# KiCad board bumwings_v001_xiao.kicad_pcb
title: BumWings_001; date: 2022-10-12; rev: v0.5; company: tubby.twins a.k.a. mschnoor
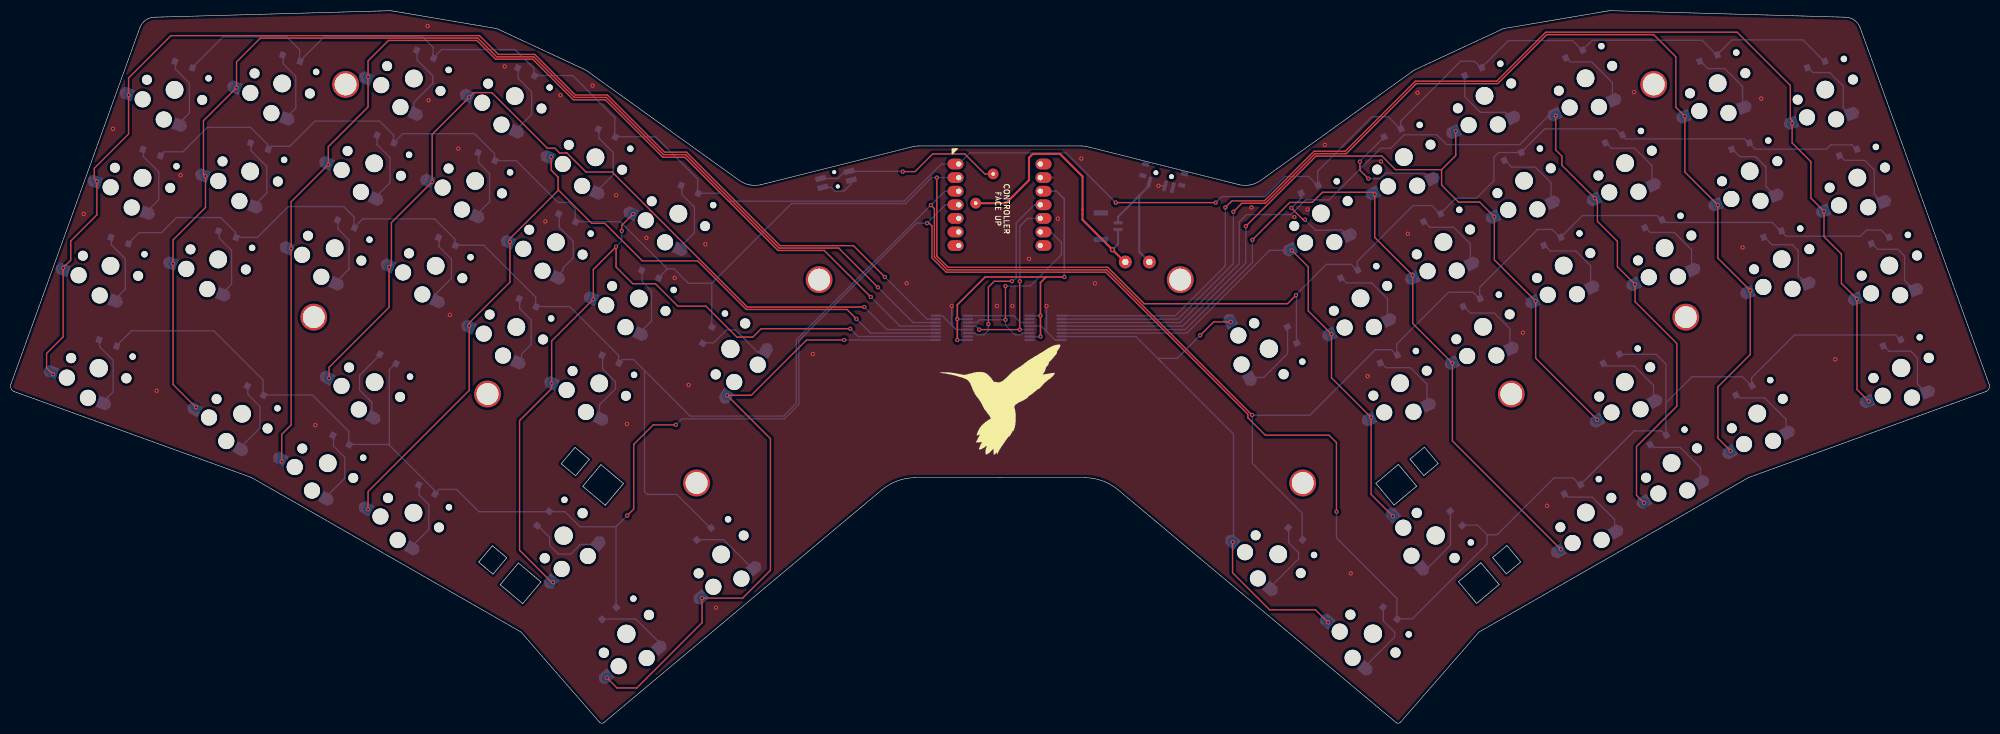
[diagram p0: board, top side]
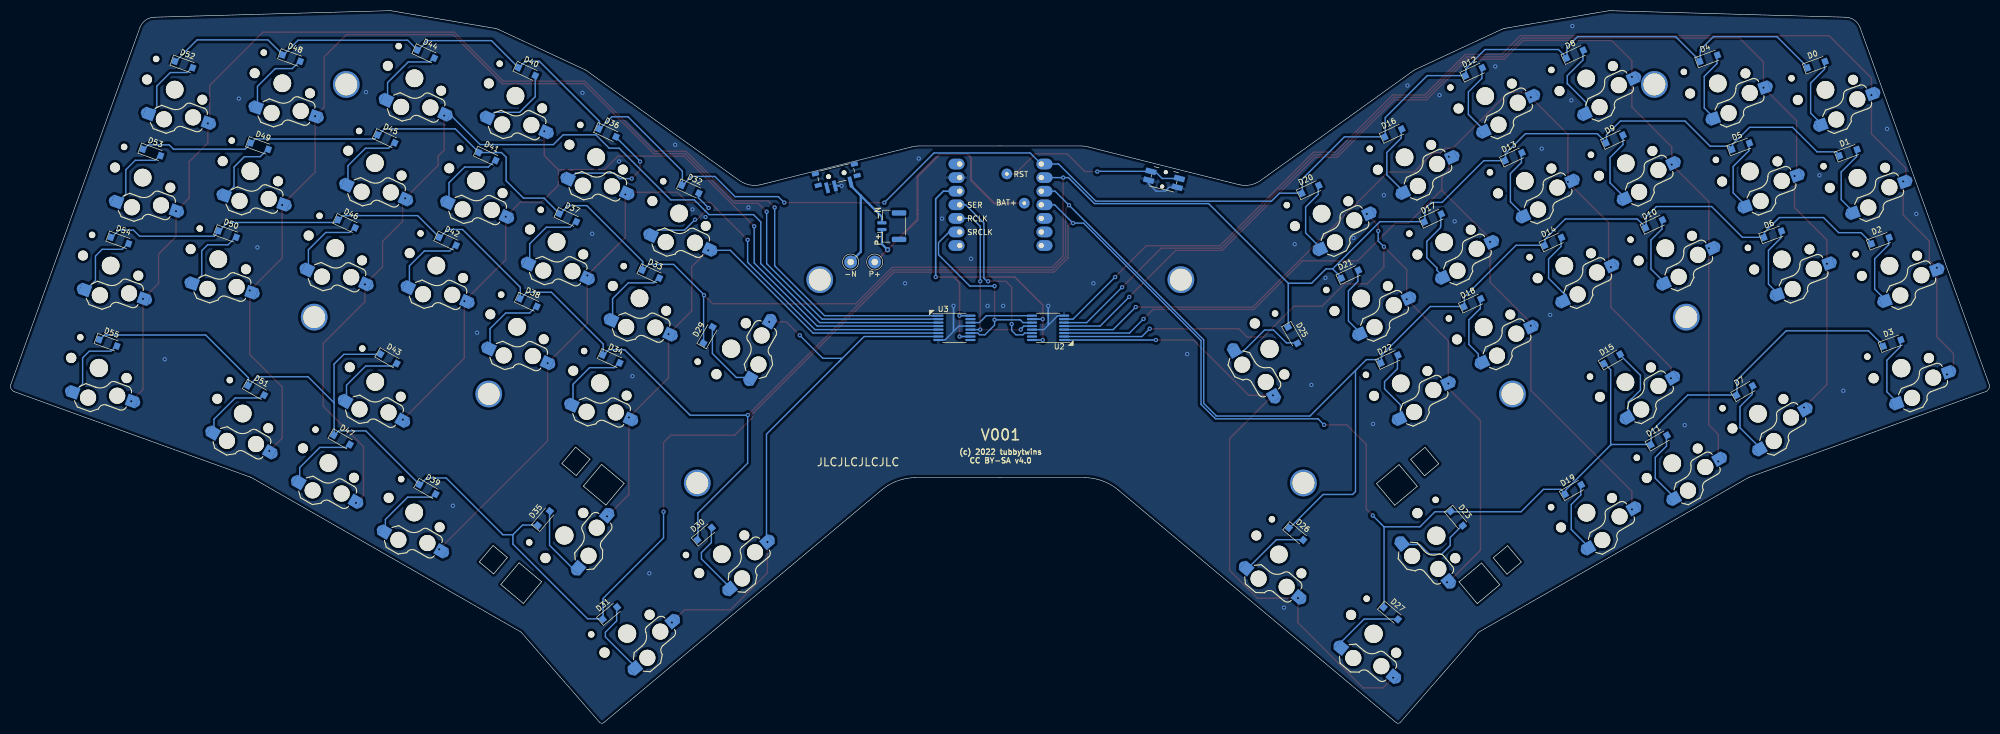
[diagram p1: board, bottom side, seen from below]

Outline 369.82 x 133.19 mm; copper layers: Top, Bottom. Coordinates in mm from the lower left corner of the outline.
Outline path: 0.61,62.02 arc(0.08,62.54) 0,63.27 24.13,129.97 arc(25.23,131.44) 26.99,131.98 70.81,133.19 arc(71,133.19) 71.18,133.17 90.57,129.89 arc(90.82,129.83) 91.07,129.74 107.3,122.18 arc(107.42,122.13) 107.53,122.06 136.25,101.42 arc(138.13,100.63) 140.17,100.66 168.37,107.72 arc(169.04,107.86) 169.72,107.92 200.1,107.92 arc(200.78,107.86) 201.45,107.72 229.65,100.66 arc(231.69,100.63) 233.57,101.42 262.29,122.06 arc(262.4,122.13) 262.52,122.18 278.75,129.74 arc(278.99,129.83) 279.25,129.89 298.64,133.17 arc(298.82,133.19) 299.01,133.19 342.83,131.98 arc(344.58,131.44) 345.69,129.97 369.82,63.27 arc(369.74,62.53) 369.21,62.02 325.04,46.02 arc(324.79,45.92) 324.55,45.79 274.61,17.16 arc(274.47,17.07) 274.35,16.96 259.75,0.19 arc(259.36,0) 258.95,0.14 206.94,43.68 arc(203.99,45.34) 200.66,45.92 169.16,45.92 arc(165.83,45.34) 162.88,43.68 110.87,0.14 arc(110.46,0) 110.07,0.19 95.47,16.96 arc(95.35,17.07) 95.21,17.16 45.27,45.79 arc(45.03,45.92) 44.78,46.02 0.61,62.02
Stack: Top 0.035mm / dielectric 1.51mm FR4 er 4.5 / Bottom 0.035mm

## Placement (name value [footprint] x y rotation side)
-N  -  [Pin_D1.0mm_L10.0mm_LooseFit]  212.83 86.22 180 bottom
BT1  Battery_Cell  [JST_GH_SM02B-GHS-TB_1x02-1MP_P1.25mm_Horizontal]  205.13 92.92 90 bottom
D0  D  [Diode_D_SOD-123]  32.34 123.1 160 bottom
D1  D  [Diode_D_SOD-123]  26.35 106.66 160 bottom
D2  D  [Diode_D_SOD-123]  20.37 90.21 160 bottom
D3  D  [Diode_D_SOD-123]  18.16 71.07 160 bottom
D4  D  [Diode_D_SOD-123]  52.46 124.29 160 bottom
D5  D  [Diode_D_SOD-123]  46.47 107.85 160 bottom
D6  D  [Diode_D_SOD-123]  40.49 91.4 160 bottom
D7  D  [Diode_D_SOD-123]  45.74 62.19 150 bottom
D8  D  [Diode_D_SOD-123]  77.46 125.05 155 bottom
D9  D  [Diode_D_SOD-123]  70.06 109.19 155 bottom
D10  D  [Diode_D_SOD-123]  62.67 93.33 155 bottom
D11  D  [Diode_D_SOD-123]  61.76 52.94 150 bottom
D12  D  [Diode_D_SOD-123]  96.34 121.77 155 bottom
D13  D  [Diode_D_SOD-123]  88.94 105.91 155 bottom
D14  D  [Diode_D_SOD-123]  81.55 90.05 155 bottom
D15  D  [Diode_D_SOD-123]  70.51 68.09 150 bottom
D16  D  [Diode_D_SOD-123]  111.41 110.32 155 bottom
D17  D  [Diode_D_SOD-123]  104.02 94.46 155 bottom
D18  D  [Diode_D_SOD-123]  96.62 78.6 155 bottom
D19  D  [Diode_D_SOD-123]  77.79 43.69 150 bottom
D20  D  [Diode_D_SOD-123]  126.91 99.79 155 bottom
D21  D  [Diode_D_SOD-123]  119.52 83.92 155 bottom
D22  D  [Diode_D_SOD-123]  112.12 68.06 155 bottom
D23  D  [Diode_D_SOD-123]  99.53 38.28 230 bottom
D25  D  [Diode_D_SOD-123]  130.21 72.54 240 bottom
D26  D  [Diode_D_SOD-123]  129.57 35.39 220 bottom
D27  D  [Diode_D_SOD-123]  111.87 20.55 220 bottom
D29  D  [Diode_D_SOD-123]  239.49 72.58 120 bottom
D30  D  [Diode_D_SOD-123]  240.12 35.43 140 bottom
D31  D  [Diode_D_SOD-123]  257.83 20.59 140 bottom
D32  D  [Diode_D_SOD-123]  242.78 99.82 205 bottom
D33  D  [Diode_D_SOD-123]  250.18 83.96 205 bottom
D34  D  [Diode_D_SOD-123]  257.57 68.1 205 bottom
D35  D  [Diode_D_SOD-123]  270.17 38.32 130 bottom
D36  D  [Diode_D_SOD-123]  258.28 110.36 205 bottom
D37  D  [Diode_D_SOD-123]  265.68 94.5 205 bottom
D38  D  [Diode_D_SOD-123]  273.07 78.64 205 bottom
D39  D  [Diode_D_SOD-123]  291.91 43.73 210 bottom
D40  D  [Diode_D_SOD-123]  273.36 121.81 205 bottom
D41  D  [Diode_D_SOD-123]  280.75 105.95 205 bottom
D42  D  [Diode_D_SOD-123]  288.15 90.08 205 bottom
D43  D  [Diode_D_SOD-123]  299.18 68.13 210 bottom
D44  D  [Diode_D_SOD-123]  292.24 125.09 205 bottom
D45  D  [Diode_D_SOD-123]  299.63 109.23 205 bottom
D46  D  [Diode_D_SOD-123]  307.03 93.37 205 bottom
D47  D  [Diode_D_SOD-123]  307.93 52.98 210 bottom
D48  D  [Diode_D_SOD-123]  317.34 124.33 200 bottom
D49  D  [Diode_D_SOD-123]  323.32 107.89 200 bottom
D50  D  [Diode_D_SOD-123]  329.31 91.44 200 bottom
D51  D  [Diode_D_SOD-123]  323.95 62.23 210 bottom
D52  D  [Diode_D_SOD-123]  337.46 123.14 200 bottom
D53  D  [Diode_D_SOD-123]  343.44 106.7 200 bottom
D54  D  [Diode_D_SOD-123]  349.43 90.25 200 bottom
D55  D  [Diode_D_SOD-123]  351.63 71.11 200 bottom
NOREF  -  [LEGO_HOLE]  280.47 61.55 0 top
NOREF#2  -  [LEGO_HOLE]  307.1 119.42 0 top
NOREF#3  -  [LEGO_HOLE]  151.1 82.92 0 top
NOREF#4  -  [LEGO_HOLE]  241.5 44.92 0 top
NOREF#5  -  [LEGO_HOLE]  313.1 75.92 0 top
NOREF#6  -  [LEGO_HOLE]  89.13 61.55 0 top
NOREF#7  -  [LEGO_HOLE]  128.2 44.92 0 top
NOREF#8  -  [LEGO_HOLE]  62.6 119.42 0 top
NOREF#9  -  [LEGO_HOLE]  218.6 82.92 0 top
NOREF#10  -  [LEGO_HOLE]  56.65 75.92 0 top
P+  -  [Pin_D1.0mm_L10.0mm_LooseFit]  208.33 86.22 180 bottom
REF**  -  [OSHW-Symbol_6.7x6mm_mask]  184.8 60.82 0 top
SW0  SW_PUSH  [Kailh_PG1350_1u_hotswap]  30.63 118.4 340 top
SW1  SW_PUSH  [Kailh_PG1350_1u_hotswap]  24.64 101.96 340 top
SW2  SW_PUSH  [Kailh_PG1350_1u_hotswap]  18.66 85.51 340 top
SW3  SW_PUSH  [Kailh_PG1350_1.5u_hotswap]  16.45 66.38 340 top
SW4  SW_PUSH  [Kailh_PG1350_1u_hotswap]  50.75 119.59 340 top
SW5  SW_PUSH  [Kailh_PG1350_1u_hotswap]  44.76 103.15 340 top
SW6  SW_PUSH  [Kailh_PG1350_1u_hotswap]  38.78 86.7 340 top
SW7  SW_PUSH  [Kailh_PG1350_1u_hotswap]  43.24 57.86 330 top
SW8  SW_PUSH  [Kailh_PG1350_1u_hotswap]  75.34 120.52 335 top
SW9  SW_PUSH  [Kailh_PG1350_1u_hotswap]  67.95 104.66 335 top
SW10  SW_PUSH  [Kailh_PG1350_1u_hotswap]  60.55 88.8 335 top
SW11  SW_PUSH  [Kailh_PG1350_1u_hotswap]  59.26 48.61 330 top
SW12  SW_PUSH  [Kailh_PG1350_1u_hotswap]  94.22 117.23 335 top
SW13  SW_PUSH  [Kailh_PG1350_1u_hotswap]  86.83 101.37 335 top
SW14  SW_PUSH  [Kailh_PG1350_1u_hotswap]  79.43 85.51 335 top
SW15  SW_PUSH  [Kailh_PG1350_1u_hotswap]  68.01 63.76 330 top
SW16  SW_PUSH  [Kailh_PG1350_1u_hotswap]  109.3 105.79 335 top
SW17  SW_PUSH  [Kailh_PG1350_1u_hotswap]  101.9 89.93 335 top
SW18  SW_PUSH  [Kailh_PG1350_1u_hotswap]  94.51 74.07 335 top
SW19  SW_PUSH  [Kailh_PG1350_1u_hotswap]  75.29 39.36 330 top
SW20  SW_PUSH  [Kailh_PG1350_1u_hotswap]  124.8 95.25 335 top
SW21  SW_PUSH  [Kailh_PG1350_1u_hotswap]  117.4 79.39 335 top
SW22  SW_PUSH  [Kailh_PG1350_1u_hotswap]  110.01 63.53 335 top
SW23  SW_PUSH  [Kailh_PG1350_2u_stab_hotswap]  103.36 35.07 50 top
SW25  SW_PUSH  [Kailh_PG1350_1.5u_hotswap]  134.53 69.97 60 top
SW26  SW_PUSH  [Kailh_PG1350_1u_hotswap]  132.79 31.56 40 top
SW27  SW_PUSH  [Kailh_PG1350_1.5u_hotswap]  115.08 16.72 40 top
SW29  SW_PUSH  [Kailh_PG1350_1.5u_hotswap]  235.17 70.01 300 top
SW30  SW_PUSH  [Kailh_PG1350_1u_hotswap]  236.91 31.6 320 top
SW31  SW_PUSH  [Kailh_PG1350_1.5u_hotswap]  254.61 16.76 320 top
SW32  SW_PUSH  [Kailh_PG1350_1u_hotswap]  244.9 95.29 25 top
SW33  SW_PUSH  [Kailh_PG1350_1u_hotswap]  252.29 79.43 25 top
SW34  SW_PUSH  [Kailh_PG1350_1u_hotswap]  259.69 63.57 25 top
SW35  SW_PUSH  [Kailh_PG1350_2u_stab_hotswap]  266.34 35.11 310 top
SW36  SW_PUSH  [Kailh_PG1350_1u_hotswap]  260.39 105.83 25 top
SW37  SW_PUSH  [Kailh_PG1350_1u_hotswap]  267.79 89.97 25 top
SW38  SW_PUSH  [Kailh_PG1350_1u_hotswap]  275.19 74.11 25 top
SW39  SW_PUSH  [Kailh_PG1350_1u_hotswap]  294.41 39.4 30 top
SW40  SW_PUSH  [Kailh_PG1350_1u_hotswap]  275.47 117.27 25 top
SW41  SW_PUSH  [Kailh_PG1350_1u_hotswap]  282.87 101.41 25 top
SW42  SW_PUSH  [Kailh_PG1350_1u_hotswap]  290.26 85.55 25 top
SW43  SW_PUSH  [Kailh_PG1350_1u_hotswap]  301.68 63.8 30 top
SW44  SW_PUSH  [Kailh_PG1350_1u_hotswap]  294.35 120.56 25 top
SW45  SW_PUSH  [Kailh_PG1350_1u_hotswap]  301.75 104.7 25 top
SW46  SW_PUSH  [Kailh_PG1350_1u_hotswap]  309.14 88.84 25 top
SW47  SW_PUSH  [Kailh_PG1350_1u_hotswap]  310.43 48.65 30 top
SW48  SW_PUSH  [Kailh_PG1350_1u_hotswap]  319.05 119.63 20 top
SW49  SW_PUSH  [Kailh_PG1350_1u_hotswap]  325.03 103.19 20 top
SW50  SW_PUSH  [Kailh_PG1350_1u_hotswap]  331.02 86.74 20 top
SW51  SW_PUSH  [Kailh_PG1350_1u_hotswap]  326.45 57.9 30 top
SW52  SW_PUSH  [Kailh_PG1350_1u_hotswap]  339.17 118.44 20 top
SW53  SW_PUSH  [Kailh_PG1350_1u_hotswap]  345.15 102 20 top
SW54  SW_PUSH  [Kailh_PG1350_1u_hotswap]  351.14 85.55 20 top
SW55  SW_PUSH  [Kailh_PG1350_1.5u_hotswap]  353.34 66.41 20 top
SWbatt  SW_SPDT  [SW_SPDT_PCM12]  215.43 102.22 346 bottom
SWreset  SW_Push  [Panasonic_EVQPUL_EVQPUC_Side_Reset]  154.25 101.68 194 bottom
U1  SeeeduinoXIAO  [SeeeduinoXIAO-2.54-21X17.8MM]  175.93 86.42 0 top
U2  74HC595  [TSSOP-16_4.4x5mm_P0.65mm]  175.93 73.92 0 bottom
U3  74HC595  [TSSOP-16_4.4x5mm_P0.65mm]  193.43 73.92 180 bottom

## Library data of the parts
BT1 = -: lcsc part number: C160402

## Footprints (pads in the part's own frame, mm; a bottom-side part is the same pattern mirrored in y, then rotated)
Diode_D_SOD-123
  rect 1.1x1.2 smd: 1(-1.75,0) 2(1.75,0)
JST_GH_SM02B-GHS-TB_1x02-1MP_P1.25mm_Horizontal
  rrect 0.6x1.7 smd: 1(-0.625,1.85) 2(0.625,1.85)
  rrect 1x2.7 smd: MP(-2.475,-1.35) MP(2.475,-1.35)
Kailh_PG1350_1.5u_hotswap
  round 1.9 hole 1.9 unplated: (-5.5,0) (5.5,0)
  round 3 hole 3 unplated: (-5,-3.7) (0,-5.9)
  round 3.4 hole 3.4 unplated: (0,0)
  round 1.2 hole 1.2 unplated: (5.22,4.2)
  trapezoid 0.6x1.4 smd far side: 1(-9.2,-3.7) 2(4.2,-5.9)
  rect 2x2.2 smd far side: 1(-7.9,-3.7) 2(2.9,-5.9)
Kailh_PG1350_1u_hotswap
  round 1.85 hole 1.85 unplated: (-5.5,0) (5.5,0)
  round 3 hole 3 unplated: (-5,-3.7) (0,-5.9)
  round 3.3 hole 3.3 unplated: (0,0)
  round 1.2 hole 1.2 unplated: (5.22,4.2)
  trapezoid 0.6x1.4 smd far side: 1(-9.2,-3.7) 2(4.2,-5.9)
  rect 2x2.2 smd far side: 1(-7.9,-3.7) 2(2.9,-5.9)
Kailh_PG1350_2u_stab_hotswap
  round 1.9 hole 1.9 unplated: (-5.5,0) (5.5,0)
  round 3 hole 3 unplated: (-5,-3.7) (0,-5.9)
  round 3.4 hole 3.4 unplated: (0,0)
  round 1.2 hole 1.2 unplated: (5.22,4.2)
  trapezoid 0.6x1.4 smd far side: 1(-9.2,-3.7) 2(4.2,-5.9)
  rect 2x2.2 smd far side: 1(-7.9,-3.7) 2(2.9,-5.9)
LEGO_HOLE
  round 5 hole 4.1: (0,0)
Panasonic_EVQPUL_EVQPUC_Side_Reset
  round 0.75 hole 0.75 unplated: (0,-1.375) (0,1.375)
  rect 2x1 smd: 1(-2.75,0.85) 1(2.75,0.85) 2(-2.75,-0.85) 2(2.75,-0.85)
Pin_D1.0mm_L10.0mm_LooseFit
  round 2.4 hole 1.2: 1(0,0)
SeeeduinoXIAO-2.54-21X17.8MM
  oval 3x1.999 hole 1: 1(1.27,18.118) 2(1.27,15.578) 3(1.27,13.038) 4(1.27,10.498) 5(1.27,7.958) 6(1.27,5.418) 7(1.27,2.878) 8(16.51,2.878) 9(16.51,5.418) 10(16.51,7.958) 11(16.51,10.498) 12(16.51,13.038) 13(16.51,15.578) 14(16.51,18.118)
  round 2 hole 0.7: 15(7.699,16.264) 16(4.44,10.8)
SW_SPDT_PCM12
  rect 1.3x0.8 smd: (-3.75,-1.43) (-3.75,0.78) (3.75,-1.43) (3.75,0.78)
  round 0.9 hole 0.9 unplated: (-1.5,-0.33) (1.5,-0.33)
  rect 0.7x2 smd: 1(-2.25,1.63) 2(0.75,1.63) 3(2.25,1.63)
TSSOP-16_4.4x5mm_P0.65mm
  rrect 2.075x0.4 smd: 1(-3.1,2.275)
  rrect 1.875x0.4 smd: 2(-3,1.625) 3(-3,0.975) 4(-3,0.325) 5(-3,-0.325) 6(-3,-0.975) 7(-3,-1.625) 8(-3,-2.275) 9(3,-2.275) 10(3,-1.625) 11(3,-0.975) 12(3,-0.325) 13(3,0.325) 14(3,0.975) 15(3,1.625) 16(3,2.275)

## Nets
GND: SWbatt.2 SWreset.2 U1.13 U2.8 U2.13 U3.8 U3.13
VCC: U1.12 U2.10 U2.16 U3.10 U3.16
BattNeg: -N.1 BT1.2 SWbatt.1
BattPos: BT1.1 P+.1 U1.16
col_Li1: SW16.1 SW17.1 SW18.1 SW19.1 U2.3
col_Li2: SW20.1 SW21.1 SW22.1 SW23.1 U2.2
col_Lm: SW12.1 SW13.1 SW14.1 SW15.1 U2.4
col_Lp1: SW4.1 SW5.1 SW6.1 SW7.1 U2.6
col_Lp2: SW0.1 SW1.1 SW2.1 SW3.1 U2.7
col_Lr: SW8.1 SW9.1 SW10.1 SW11.1 U2.5
col_Lt: SW25.1 SW26.1 SW27.1 U2.1
col_Ri1: SW36.1 SW37.1 SW38.1 SW39.1 U3.5
col_Ri2: SW32.1 SW33.1 SW34.1 SW35.1 U3.6
col_Rm: SW40.1 SW41.1 SW42.1 SW43.1 U3.4
col_Rp1: SW48.1 SW49.1 SW50.1 SW51.1 U3.2
col_Rp2: SW52.1 SW53.1 SW54.1 SW55.1 U3.1
col_Rr: SW44.1 SW45.1 SW46.1 SW47.1 U3.3
col_Rt: SW29.1 SW30.1 SW31.1 U3.7
MISO: U1.10 U2.12 U3.12
MOSI: U1.11 U2.14
row_dn: D2.1 D6.1 D10.1 D14.1 D18.1 D22.1 D26.1 D30.1 D34.1 D38.1 D42.1 D46.1 D50.1 D54.1 U1.3
row_home: D1.1 D5.1 D9.1 D13.1 D17.1 D21.1 D25.1 D29.1 D33.1 D37.1 D41.1 D45.1 D49.1 D53.1 U1.2
row_mod: D3.1 D7.1 D11.1 D15.1 D19.1 D23.1 D27.1 D31.1 D35.1 D39.1 D43.1 D47.1 D51.1 D55.1 U1.4
row_up: D0.1 D4.1 D8.1 D12.1 D16.1 D20.1 D32.1 D36.1 D40.1 D44.1 D48.1 D52.1 U1.1
RST: SWreset.1 U1.15
SCK: U1.9 U2.11 U3.11
X_U2_U3: U2.9 U3.14
Net-(D0-Pad2): D0.2 SW0.2
Net-(D1-Pad2): D1.2 SW1.2
Net-(D2-Pad2): D2.2 SW2.2
Net-(D3-Pad2): D3.2 SW3.2
Net-(D4-Pad2): D4.2 SW4.2
Net-(D5-Pad2): D5.2 SW5.2
Net-(D6-Pad2): D6.2 SW6.2
Net-(D7-Pad2): D7.2 SW7.2
Net-(D8-Pad2): D8.2 SW8.2
Net-(D9-Pad2): D9.2 SW9.2
Net-(D10-Pad2): D10.2 SW10.2
Net-(D11-Pad2): D11.2 SW11.2
Net-(D12-Pad2): D12.2 SW12.2
Net-(D13-Pad2): D13.2 SW13.2
Net-(D14-Pad2): D14.2 SW14.2
Net-(D15-Pad2): D15.2 SW15.2
Net-(D16-Pad2): D16.2 SW16.2
Net-(D17-Pad2): D17.2 SW17.2
Net-(D18-Pad2): D18.2 SW18.2
Net-(D19-Pad2): D19.2 SW19.2
Net-(D20-Pad2): D20.2 SW20.2
Net-(D21-Pad2): D21.2 SW21.2
Net-(D22-Pad2): D22.2 SW22.2
Net-(D23-Pad2): D23.2 SW23.2
Net-(D25-Pad2): D25.2 SW25.2
Net-(D26-Pad2): D26.2 SW26.2
Net-(D27-Pad2): D27.2 SW27.2
Net-(D29-Pad2): D29.2 SW29.2
Net-(D30-Pad2): D30.2 SW30.2
Net-(D31-Pad2): D31.2 SW31.2
Net-(D32-Pad2): D32.2 SW32.2
Net-(D33-Pad2): D33.2 SW33.2
Net-(D34-Pad2): D34.2 SW34.2
Net-(D35-Pad2): D35.2 SW35.2
Net-(D36-Pad2): D36.2 SW36.2
Net-(D37-Pad2): D37.2 SW37.2
Net-(D38-Pad2): D38.2 SW38.2
Net-(D39-Pad2): D39.2 SW39.2
Net-(D40-Pad2): D40.2 SW40.2
Net-(D41-Pad2): D41.2 SW41.2
Net-(D42-Pad2): D42.2 SW42.2
Net-(D43-Pad2): D43.2 SW43.2
Net-(D44-Pad2): D44.2 SW44.2
Net-(D45-Pad2): D45.2 SW45.2
Net-(D46-Pad2): D46.2 SW46.2
Net-(D47-Pad2): D47.2 SW47.2
Net-(D48-Pad2): D48.2 SW48.2
Net-(D49-Pad2): D49.2 SW49.2
Net-(D50-Pad2): D50.2 SW50.2
Net-(D51-Pad2): D51.2 SW51.2
Net-(D52-Pad2): D52.2 SW52.2
Net-(D53-Pad2): D53.2 SW53.2
Net-(D54-Pad2): D54.2 SW54.2
Net-(SW55-Pad2): D55.2 SW55.2

Pads without a net: BT1 MP; SWbatt 3; U1 5 6 7 8 14; U2 15; U3 9 15

## Via types
v1: diameter 0.8, hole 0.4, Top to Bottom, 141 vias
v2: diameter 1, hole 0.5, Top to Bottom, 1 via

## Routing (per net, layer and track width the routed paths; a pad name or vN(x,y) marks a point on that pad's centre or on a via; arc(x,y) is an arc through that point)
GND: length 30.6
  Bottom w0.25: U3.8 195.2,71.64 192.61,74.24 U3.13 ; U2.8 174.1,76.19 176.7,73.59 U2.13 ; SWreset.2 157.13,100.86 155.73,99.46 154.03,99.46 153.31,100.19 SWreset.2
  Bottom w0.3: v1(193.6,78.02) 193.6,73.32 ; SWbatt.2 v1(214.53,100.46) ; v1(175.9,78.02) 175.9,74.42
  vias: v1(13.65,95.21) v1(19.11,111.11) v1(27.3,62.15) v1(31.75,102.44) v1(56.93,55.73) v1(77.93,130.32) v1(78.11,116.45) v1(82.08,76.34) v1(83.65,107.4) v1(92.35,122.78) v1(99.93,93.82) v1(102.76,117.42) v1(108.75,119.2) v1(113.16,98.71) v1(115.18,55.95) v1(118.83,90.72) v1(124.09,83.26) v1(126.71,63.25) v1(129.83,89.55) v1(131.83,21.62) v1(149.93,69.02) v1(167.46,82.24) v1(184.33,78.02) v1(187.23,78.02) v1(190.33,86.82) v1(195.73,94.32) v1(200.1,105.56) v1(202.66,82.24) v1(231.93,96.42) v1(239.95,94.62) v1(242.39,96.05) v1(245.63,108.12) v1(250.46,28.03) v1(253.62,64.88) v1(256.12,105.02) v1(261.14,91.5) v1(262.94,117.84) v1(282.65,73) v1(287.17,40.66) v1(303.41,117.98) v1(323.72,88.95) v1(327.18,116.77) v1(341.02,68.04)
VCC: length 68.1
  Top w0.3: 193.53,83.42 182.13,83.42 176.93,78.22 v1(176.93,75.54) v1(176.93,71.64) ; 193.53,83.42 v1(196.93,83.42) ; 193.53,83.42 192.47,82.36 v1(192.47,76.19) v1(192.47,72.29)
  Bottom w0.3: U3.10 v1(192.47,72.29) ; U1.12 195.49,99.46 196.93,98.02 v1(196.93,83.42) ; U2.16 v1(176.93,71.64) ; U2.10 v1(176.93,75.54) ; U3.16 v1(192.47,76.19)
BattNeg: length 23.4
  Bottom w0.3: 212.85,101.28 212.63,101.06 212.63,100.32
  Bottom w0.4: BT1.2 206.98,94.67 210.93,98.62 ; -N.1 210.93,88.12 210.93,98.62 ; 210.93,98.62 212.63,100.32
BattPos: length 51.5
  Top w0.4: 208.23,86.22 200.33,94.12 200.33,102.22 196.13,106.42 191.03,106.42 190.33,105.72 190.33,101.52 186.03,97.22 U1.16
  Bottom w0.4: v2(205.93,88.52) 206.98,89.57 BT1.1
col_Li1: length 162.1
  Top w0.25: 102.31,99.59 102.38,99.67 108.6,93.45 111.05,93.45 118.06,86.44 128.38,86.44 137.47,77.35 156.31,77.35 v1(158.08,75.58) ; 102.31,99.59 102.31,102.11 101.02,103.4 v1(101.02,105.89) ; 102.31,99.59 93.19,90.47 ; 85.57,74.71 93.31,82.45 v1(93.31,89.99) ; v1(66.8,39.99) 66.8,43.33 85.7,62.23 v1(85.7,74.31)
  Bottom w0.25: v1(158.08,75.58) 160.71,72.94 U2.3
col_Li2: length 150.6
  Top w0.25: v1(114.22,92.03) 114.22,93.08 v1(116.34,95.2) ; v1(156.93,73.75) 140.27,73.75 138.71,72.19 135.72,72.19 129.95,77.96 124.7,77.96 120.5,82.16 116.27,82.16 113.15,85.28 v1(113.15,89.07) 108.9,84.82 v1(108.9,79.26) 101.11,71.47 v1(101.11,63.5) 101.11,62.58 95.11,56.58 95.11,32.35 101.09,26.37 v1(101.36,26.37)
  Bottom w0.25: v1(113.15,89.07) 114.22,90.14 v1(114.22,92.03) ; v1(156.93,73.75) 158.38,72.29 U2.2
col_Lm: length 169.5
  Top w0.25: v1(59.51,64.5) 59.51,66.53 70.72,77.74 v1(70.72,85.26) 71.16,85.7 71.16,85.83 ; 71.16,85.83 71.16,85.62 ; 71.16,85.83 71.16,93.58 v1(78.78,101.2) 78.78,110.09 v1(85.7,117.01) 86.57,117.88 89.92,117.88 100.31,107.49 101.72,107.49 102.6,106.6 103.96,106.6 107.53,103.04 112.42,103.04 137.66,77.8 v1(159.54,77.8)
  Bottom w0.25: v1(159.54,77.8) 163.75,73.59 U2.4
col_Lp1: length 226.2
  Top w0.25: v1(162.08,81.51) 154.76,88.83 143.6,88.83 126.14,106.29 122.03,106.29 111.33,116.99 105.34,116.99 97.75,124.58 90.82,124.58 87.32,128.08 46.67,128.08 42.21,123.62 v1(42.21,118.81) 36.03,112.63 36.03,102.67 v1(36.41,102.29) 36.41,96.41 30.35,90.35 v1(30.35,85.89) 30.35,63.32 v1(34.64,59.03)
  Bottom w0.25: v1(162.08,81.51) 168.69,74.89 U2.6
col_Lp2: length 238.8
  Top w0.25: v1(7.91,65.21) 6.71,66.41 6.71,69.14 9.8,72.23 v1(9.8,85.14) 11.22,86.56 11.22,90.15 16.11,95.04 v1(16.11,101.28) 15.62,101.77 15.62,103.73 22.03,110.14 v1(22.03,117.42) 22.03,120.6 29.96,128.53 87.63,128.53 91.13,125.03 97.93,125.03 105.52,117.44 111.53,117.44 122.23,106.74 126.32,106.74 143.79,89.28 157.52,89.28 v1(163.39,83.41)
  Bottom w0.25: U2.7 171.25,75.54 v1(163.39,83.41)
col_Lr: length 211.4
  Top w0.25: v1(160.76,79.69) 152.07,88.38 143.42,88.38 126,105.79 121.89,105.79 111.14,116.54 105.15,116.54 97.56,124.13 90.63,124.13 87.13,127.63 70.61,127.63 66.8,123.82 v1(66.8,120.82) 66.8,115.2 59.36,107.76 v1(59.36,104.43) 52.42,97.49 v1(52.42,88.79) 52.42,55.77 50.66,54.01 v1(50.66,48.95)
  Bottom w0.25: v1(160.76,79.69) 166.2,74.24 U2.5
col_Lt: length 122.4
  Top w0.25: v1(111.43,8.51) 113.33,6.61 117.03,6.61 129.22,18.8 v1(129.22,23.4) 136.81,23.4 142.01,28.6 142.01,53.2 v1(133.9,61.31) 138.42,61.31 148.75,71.64 v1(155.78,71.64)
  Bottom w0.25: U2.1 v1(155.78,71.64)
col_Ri1: length 152.3
  Top w0.25: 254.87,99.26 245.19,99.26 243.3,97.37 239.09,97.37 v1(232.08,90.37) ; v1(254.95,98.85) 254.95,90.81 v1(262.05,83.71) 262.05,74.73 v1(269.47,67.31) 269.47,52.78 v1(289.73,32.52)
  Bottom w0.25: v1(232.08,90.37) 232.08,86.18 219.5,73.59 U3.5
col_Ri2: length 107
  Top w0.25: v1(258.36,38.68) 254.28,42.76 v1(254.28,57.17) 246.87,64.58 v1(246.87,72.74) 242.53,77.08 242.53,85.32 v1(239.45,88.4)
  Bottom w0.25: v1(239.45,88.4) 235.31,88.4 219.85,72.94 U3.6
col_Rm: length 158.6
  Top w0.25: 267.45,103.48 267.45,100.57 270.59,97.43 274.55,97.43 v1(277.3,94.68) 277.3,86.63 v1(285.03,78.9) 285.03,68.25 v1(296.52,56.76) ; 267.45,103.48 258.84,103.48 256.3,106.02 243.97,106.02 v1(230.85,92.9) ; 267.45,103.48 270.09,106.12 v1(270.09,110.66)
  Bottom w0.25: v1(230.85,92.9) 230.85,86.04 219.05,74.24 U3.4
col_Rp1: length 226.7
  Top w0.25: v1(312.92,113.48) 312.92,103.03 v1(319.08,96.87) 319.08,86.95 v1(325.14,80.89) 325.14,68.94 319.09,62.89 319.09,53.3 v1(321.48,50.91) ; 312.57,113.82 311.23,115.16 311.23,124.57 307.08,128.72 287.09,128.72 277.93,119.56 262.7,119.56 249.61,106.47 243.78,106.47 234.51,97.2 230.1,97.2 v1(228.53,95.62)
  Bottom w0.25: U3.2 218.15,75.54 228.53,85.92 v1(228.53,95.62)
col_Rp2: length 233.6
  Top w0.25: v1(227.03,96.42) 228.25,97.65 234.32,97.65 243.6,106.92 249.43,106.92 262.52,120.01 277.74,120.01 286.9,129.17 322.68,129.17 332.63,119.22 332.63,113.02 332.97,112.68 v1(332.97,112.12) 332.97,108.47 336.47,104.97 336.47,98.18 v1(338.93,95.72) 338.93,90.95 342.18,87.7 342.18,82.23 v1(345.09,79.32) 345.09,62.4 v1(347.29,60.2)
  Bottom w0.25: U3.1 217.7,76.19 227.03,85.52 v1(227.03,96.42)
col_Rr: length 199.9
  Top w0.25: v1(305.29,41.19) 303.88,42.6 303.88,51.73 311.42,59.27 311.42,70.99 303.62,78.79 v1(303.62,82.04) 300.31,85.35 300.31,90.09 296.57,93.83 296.57,97.65 v1(296.1,98.12) 289.94,104.28 289.94,106 288.79,107.15 v1(288.79,113.58)
  Bottom w0.25: U3.3 218.6,74.89 229.63,85.92 229.63,93.72 230.99,95.08 239.3,95.08 242.05,97.83 246.43,97.83 256.09,107.49 257.95,107.49 260.46,110 266.55,110 268.38,108.17 282.08,108.17 287.49,113.58 v1(288.79,113.58)
col_Rt: length 104.8
  Top w0.25: v1(228.06,75.03) 224.84,75.03 v1(222.33,72.52) ; v1(246.24,18.84) 243.86,21.22 235.29,21.22 228.38,28.13 v1(228.38,33.88)
  Bottom w0.25: 215,67.6 228.55,54.04 228.55,33.78 ; 215,67.6 214.38,68.22 218.03,68.22 v1(222.33,72.52) ; 215,67.6 210.31,72.29 U3.7
MISO: length 35.1
  Top w0.25: v1(188.6,73.59) v1(181.03,73.59) ; 188.6,73.82 188.6,82.62
  Bottom w0.25: U1.10 190.08,94.38 188.6,92.89 188.6,82.62 ; v1(181.03,73.59) 181.03,73.67 180.45,74.24 U2.12 ; U3.12 188.82,73.59
  vias: v1(188.6,82.62)
MOSI: length 34.5
  Top w0.25: v1(187.13,82.62) 183.83,82.62 182.73,81.52 v1(182.73,74.62)
  Bottom w0.25: U2.14 180.31,72.94 180.63,72.62 181.93,72.62 182.73,73.42 v1(182.73,74.62) ; v1(187.13,82.62) 187.33,82.62 187.93,83.22 187.93,93.52 191.32,96.92 U1.11
row_dn: length 497
  Top w0.25: v1(232.03,57.62) 204.88,84.77 175.04,84.77 172.65,87.16 172.65,96.2 v1(172,96.85)
  Bottom w0.25: 21.92,89.65 23.98,91.71 28.17,91.71 30.99,94.53 39.25,94.53 42.04,91.74 42.04,90.84 46.14,90.84 51.9,96.59 62.22,96.59 64.16,94.65 64.16,92.63 65.8,94.27 79.25,94.27 83.04,90.48 83.04,89.35 88.45,89.35 98.12,79.68 98.12,77.9 104.47,77.9 113.62,68.76 113.62,67.37 114.23,67.99 116.42,67.99 118.46,65.94 ; 118.46,65.94 126.97,57.43 144.51,57.43 144.51,57.49 146.84,59.82 146.84,71.68 v1(172,96.85) 174.61,99.46 U1.3 ; 118.46,65.94 118.46,43.32 119.01,42.77 124.51,42.77 130.84,36.45 ; 241.39,34.37 241.39,39.29 232.08,48.6 232.08,57.57 242.81,57.57 255.07,69.83 258.04,69.83 259.07,68.8 259.07,70.89 268.75,80.57 273.34,80.57 274.57,79.34 274.57,81.5 285.37,92.3 288.13,92.3 289.64,90.78 293.76,94.9 307.69,94.9 308.98,93.62 329.25,93.62 331.82,91.05 345.73,91.05 346.87,92.18 349.61,92.18 350.98,90.82
row_home: length 412.6
  Top w0.25: v1(173.1,102) 173.1,87.35 175.23,85.22 205.06,85.22 211.86,78.42 238.63,78.42 v1(240.23,80.02)
  Bottom w0.25: 122.72,84.94 123.97,84.94 126.65,82.25 131.03,82.25 ; 122.72,84.94 113.9,93.76 105.51,93.76 105.51,96.12 104.27,97.36 102.29,97.36 94.48,105.17 D13.1 ; 122.72,84.94 121.01,83.23 ; 131.03,82.25 131.03,73.97 ; 131.03,82.25 145.91,97.14 167.24,97.14 172.1,102 U1.2 ; 344.99,107.26 344.13,108.12 340.2,108.12 339.39,107.31 326.02,107.31 324.09,109.23 301.83,109.23 299.95,111.11 286.72,111.11 282.25,106.64 ; 27.9,106.09 28.63,106.82 32.19,106.82 36.76,111.39 44.82,111.39 48.02,108.19 48.02,107.28 48.6,107.86 52.17,107.86 56.87,112.56 68.96,112.56 71.56,109.96 71.56,108.5 73.27,110.21 86.7,110.21 90.44,106.47 90.44,105.21 ; D41.1 278.09,106.68 277.22,105.81 277.22,101.41 273.97,98.16 270.13,98.16 267.17,95.2 265.61,96.76 262.13,96.76 251.67,86.31 251.67,84.66 250.55,85.78 245.92,85.78 240.16,80.03 240.31,79.88 240.31,71.15
row_mod: length 530.3
  Top w0.25: v1(124.33,55.78) 120.1,55.78 116.46,52.14 116.46,40.05 v1(115.24,38.83) ; v1(171.26,93.49) 171.66,93.49 172.2,92.95 172.2,86.98 174.86,84.32 204.69,84.32 231.23,57.78 231.23,57.12 234.5,53.85 246.42,53.85 247.8,52.47 v1(247.8,39.54)
  Bottom w0.25: 309.36,59.89 309.36,53.8 308.5,54.66 303.45,54.66 293.34,44.55 292.03,45.86 288.44,45.86 277.82,35.25 275.95,35.25 ; 309.36,59.89 314.25,64.78 323.65,64.78 325.38,63.05 325.38,64.58 333.38,72.58 352.28,72.58 353.18,71.68 ; 309.36,59.89 309.38,59.91 309.38,67.14 307.56,68.96 300.61,68.96 ; 70.77,52 70.77,66.1 71.94,67.27 ; 70.77,52 70.66,52.11 63.19,52.11 63.19,54.54 56.36,61.36 47.17,61.36 47.17,64.16 37.97,73.36 22.56,73.36 19.71,70.51 ; 70.77,52 79.21,43.56 79.21,42.86 80.08,43.73 83.33,43.73 87.51,39.55 103.6,39.55 106.42,36.72 113.13,36.72 ; 113.13,36.72 v1(115.24,38.83) ; 113.13,36.72 113.13,21.61 ; 275.95,35.25 274.14,37.06 271.23,37.06 ; 275.95,35.25 275.95,33.5 261.99,19.53 259.09,19.53 259.09,23.35 247.8,34.64 v1(247.8,39.54) ; U1.4 174.69,96.92 v1(171.26,93.49) 169.28,93.49 147.33,71.53 147.33,59.61 144.63,56.92 125.47,56.92 v1(124.33,55.78)
row_up: length 364.7
  Top w0.25: v1(206.53,97.32) v1(225.23,97.32)
  Bottom w0.25: 339.01,123.7 334.97,127.74 321.73,127.74 318.89,124.89 316.11,127.67 295.61,127.67 293.73,125.79 291.92,127.6 279.95,127.6 274.85,122.5 273.61,123.75 271.02,123.75 259.78,112.51 259.78,111.06 257.46,113.38 254.45,113.38 244.28,103.21 244.28,100.52 242.59,102.21 238.2,102.21 234.43,98.44 226.35,98.44 v1(225.23,97.32) ; v1(206.53,97.32) 197.25,106.6 179.27,106.6 U1.1 173.94,104.54 166.99,97.59 134.16,97.59 132.66,99.09 128.41,99.09 128.41,101.74 120.52,109.63 112.91,109.63 112.91,113.2 105.04,121.07 97.83,121.07 97.83,122.37 94.26,125.94 80.54,125.94 78.95,124.36 78.95,126.34 76.95,128.34 58.62,128.34 54.01,123.73 54.01,125.89 51.56,128.34 39.69,128.34 33.89,122.54
RST: length 35.9
  Top w0.25: U1.15 182.07,102.68 178.33,106.42 172.33,106.42 169.03,103.12 v1(166.73,103.12)
  Bottom w0.25: 166.87,103.17 SWreset.1 155.94,103.17 154.61,101.84 SWreset.1
SCK: length 39.8
  Top w0.25: v1(185.93,75.42) v1(185.93,81.72)
  Bottom w0.25: U1.9 194.41,91.84 196.4,89.85 196.4,87.6 190.53,81.72 v1(185.93,81.72) ; U3.11 189.05,72.94 188.73,72.62 187.73,72.62 185.93,74.42 v1(185.93,75.42) 181.13,75.42 180.6,74.89 U2.11
X_U2_U3: length 12
  Bottom w0.25: U2.9 187.45,76.19 188.75,74.89 U3.14
Net-(D0-Pad2): length 13.7
  Bottom w0.25: 31.24,111.9 33.4,114.06 33.4,119.65 30.79,122.26 30.79,123.67
Net-(D1-Pad2): length 14
  Bottom w0.25: 24.8,107.22 24.8,105.93 27.68,103.05 27.68,97.88 25.25,95.46
Net-(D2-Pad2): length 13.7
  Bottom w0.25: 19.27,79.01 21.43,81.17 21.43,86.82 18.82,89.43 18.82,90.78
Net-(D3-Pad2): length 13.7
  Bottom w0.25: 16.61,71.64 16.61,70.4 19.15,67.86 19.15,61.96 17.07,59.87
Net-(D4-Pad2): length 13.5
  Bottom w0.25: 50.91,124.86 50.91,123.29 53.28,120.92 53.28,115.01 51.36,113.09
Net-(D5-Pad2): length 14
  Bottom w0.25: 44.92,108.41 44.92,107.03 47.87,104.08 47.87,99.14 45.38,96.65
Net-(D6-Pad2): length 13.5
  Bottom w0.25: 39.39,80.2 41.28,82.09 41.28,88.39 38.94,90.73 38.94,91.97
Net-(D7-Pad2): length 14.2
  Bottom w0.25: 44.31,63.01 44.31,61.48 46.6,59.2 46.6,55.23 42.72,51.35
Net-(D8-Pad2): length 14.4
  Bottom w0.25: 75.39,113.99 75.39,116.09 78.82,119.52 78.88,119.52 78.88,121.05 75.96,123.97 75.96,125.75
Net-(D9-Pad2): length 14
  Bottom w0.25: D9.2 68.48,108.16 70.89,105.75 70.89,101.03 67.99,98.13
Net-(D10-Pad2): length 13.7
  Bottom w0.25: 60.6,82.27 63.24,84.91 63.24,90.33 61.17,92.4 61.17,94.03
Net-(D11-Pad2): length 14.1
  Bottom w0.25: 60.34,53.76 60.34,51.8 62.43,49.71 62.43,45.79 58.74,42.1
Net-(D12-Pad2): length 14.1
  Bottom w0.25: 94.27,110.7 97.37,113.8 97.37,118.01 94.84,120.54 94.84,122.46
Net-(D13-Pad2): length 13.7
  Bottom w0.25: 87.45,106.6 87.45,104.81 89.51,102.75 89.51,97.48 86.87,94.84
Net-(D14-Pad2): length 13.9
  Bottom w0.25: 79.48,78.98 79.48,80.29 82.38,83.19 82.38,86.78 80.05,89.11 80.05,90.74
Net-(D15-Pad2): length 15
  Bottom w0.25: 66.85,60.63 66.91,60.63 67.49,60.04 67.49,57.26 ; 66.85,60.63 65.21,62.27 65.21,65.04 69.09,68.92 ; 66.85,60.63 67.37,60.11
Net-(D16-Pad2): length 14.2
  Bottom w0.25: 109.34,99.26 112.61,102.52 112.61,106.7 109.92,109.39 109.92,111.02
Net-(D17-Pad2): length 14.2
  Bottom w0.25: 102.52,95.16 102.52,92.99 102.57,92.99 102.57,92.65 105.14,90.08 105.14,87 103.24,85.1 103.24,84.69 101.95,83.4
Net-(D18-Pad2): length 13.8
  Bottom w0.25: 94.55,67.54 95.51,68.5 95.51,69.05 97.28,70.82 97.28,75.39 95.18,77.49 95.13,77.49 95.13,79.3
Net-(D19-Pad2): length 13.8
  Bottom w0.25: 74.76,32.85 78.14,36.23 78.14,40.89 76.36,42.67 76.36,44.51
Net-(D20-Pad2): length 14
  Bottom w0.25: 124.84,88.72 127.79,91.67 127.79,96.49 125.42,98.86 125.42,100.48
Net-(D21-Pad2): length 13.5
  Bottom w0.25: 117.45,72.86 119.79,75.2 119.79,80.83 118.02,82.6 118.02,84.62
Net-(D22-Pad2): length 14
  Bottom w0.25: 110.62,68.76 110.62,66.26 113.04,63.85 113.04,62.51 110.05,59.52 110.05,57
Net-(D23-Pad2): length 15.1
  Bottom w0.25: 98.47,37.02 100.75,34.74 100.75,33.24 102.36,31.63 104.69,31.63 106.48,33.42 109.68,33.42
Net-(D25-Pad2): length 14.3
  Bottom w0.25: 141.04,69.45 139.52,69.45 135.47,73.5 133.77,73.5 131.38,71.11 129.38,71.11
Net-(D26-Pad2): length 12.7
  Bottom w0.25: 128.31,34.33 133.23,34.33 138.72,28.84
Net-(D27-Pad2): length 13.5
  Bottom w0.25: 110.6,19.49 116.84,19.49 121.02,15.31 121.02,14
Net-(D29-Pad2): length 14
  Bottom w0.25: 238.66,74.01 238.66,69.12 234.19,64.64 231.46,64.64
Net-(D30-Pad2): length 14.2
  Bottom w0.25: 235.26,25.28 240.72,30.74 240.72,31.91 238.86,33.77 238.86,36.49
Net-(D31-Pad2): length 14.4
  Bottom w0.25: 256.56,21.65 256.56,19.14 258.67,17.03 258.67,16.14 252.97,10.44
Net-(D32-Pad2): length 16.4
  Top w0.25: v1(241.91,94.14) 241.55,94.14 v1(239.37,96.32)
  Bottom w0.25: v1(241.91,94.14) 243.89,92.16 246.2,92.16 246.2,92.2 248.86,92.2 249.93,91.13 ; v1(239.37,96.32) 241.29,98.24 241.29,99.13
Net-(D33-Pad2): length 14.4
  Bottom w0.25: 257.32,75.27 257.32,79.38 254.38,82.32 249.63,82.32 248.68,83.27
Net-(D34-Pad2): length 14.3
  Bottom w0.25: 256.08,67.41 257.01,66.47 261.62,66.47 264.72,63.37 264.72,59.41
Net-(D35-Pad2): length 13.5
  Bottom w0.25: 269.11,39.59 269.11,33.28 265,29.17 263.62,29.17
Net-(D36-Pad2): length 23
  Top w0.25: v1(252.19,104.99) 252.19,103.42 252.17,103.4 v1(253.76,101.81)
  Bottom w0.25: 265.43,101.67 264.26,102.83 257.02,102.83 256,101.81 v1(253.76,101.81) ; v1(252.19,104.99) 252.19,105.07 256.79,109.66
Net-(D37-Pad2): length 14.2
  Bottom w0.25: 264.18,93.8 265.27,92.72 269.7,92.72 272.82,89.6 272.82,85.81
Net-(D38-Pad2): length 14.2
  Bottom w0.25: 280.22,69.95 280.22,73.77 277.3,76.69 272.83,76.69 271.58,77.94
Net-(D39-Pad2): length 13.7
  Bottom w0.25: 290.48,42.9 291.11,42.27 295.61,42.27 299.78,38.1 299.78,35.69
Net-(D40-Pad2): length 14.3
  Bottom w0.25: 280.5,113.11 279.41,114.2 274.7,114.2 271.77,117.13 D40.2
Net-(D41-Pad2): length 14.2
  Bottom w0.25: 279.26,105.25 280.54,103.97 284.97,103.97 287.9,101.04 287.9,97.25
Net-(D42-Pad2): length 14.4
  Bottom w0.25: 286.65,89.39 287.76,88.28 292.51,88.28 295.29,85.5 295.29,81.39
Net-(D43-Pad2): length 14.1
  Bottom w0.25: 297.75,67.31 298.28,66.78 303.46,66.78 307.05,63.18 307.05,60.09
Net-(D44-Pad2): length 13.9
  Bottom w0.25: 299.38,116.4 299.38,119.75 295.51,123.62 291.52,123.62 290.74,124.4
Net-(D45-Pad2): length 14.1
  Bottom w0.25: 298.14,108.53 299.18,107.49 303.51,107.49 306.78,104.22 306.78,100.54
Net-(D46-Pad2): length 14.2
  Bottom w0.25: 305.53,92.67 306.47,91.74 310.94,91.74 314.17,88.51 314.17,84.68
Net-(D47-Pad2): length 14
  Bottom w0.25: 306.5,52.15 307.14,51.51 307.2,51.57 312.03,51.57 315.8,47.79 315.8,44.94
Net-(D48-Pad2): length 13.9
  Bottom w0.25: 323.7,115.05 323.7,119.04 320.37,122.37 317.18,122.37 315.79,123.77
Net-(D49-Pad2): length 13.7
  Bottom w0.25: SW49.2 328.08,100.33 328.08,103.97 326.14,105.91 323.18,105.91 321.77,107.32
Net-(D50-Pad2): length 14.2
  Bottom w0.25: 327.76,90.88 329.19,89.44 333.01,89.44 334.11,88.34 334.11,83.71 335.67,82.16
Net-(D51-Pad2): length 13.8
  Bottom w0.25: 331.83,54.19 331.83,56.83 327.84,60.82 323.11,60.82 322.52,61.4
Net-(D52-Pad2): length 13.8
  Bottom w0.25: 343.82,113.86 342.51,115.16 342.51,119.1 339.98,121.63 336.85,121.63 335.91,122.58
Net-(D53-Pad2): length 14.2
  Bottom w0.25: 349.8,97.41 348.31,98.9 348.31,103.46 346.54,105.23 342.79,105.23 341.89,106.13
Net-(D54-Pad2): length 14.2
  Bottom w0.25: 355.79,80.97 353.98,82.77 353.98,87.33 352.72,88.59 348.97,88.59 347.88,89.69
Net-(SW55-Pad2): length 14.4
  Bottom w0.25: 357.99,61.83 356.38,63.44 356.38,68.29 355.12,69.55 351.08,69.55 350.08,70.55

## Copper pours and planes (outline as drawn; the poured copper is in the pictures)
GND on Top: 296.45,140.83 349.66,138.44 375.48,60.28 326.55,42.06 277.62,13.6 260.09,-6 199.88,42.23 167.95,42.06 151.64,29.22 110.25,-8.19 91.96,11 44.59,39.49 -7.28,59.28 18.5,135.13 58.38,141.13 93.76,137.83 139.94,109.05 184.61,116.24 228.09,109.05 246.98,124.94
GND on Bottom: 73.07,139.93 19.86,137.54 -5.96,59.38 42.97,41.16 91.9,12.7 109.43,-6.9 169.64,41.33 201.57,41.16 217.88,28.32 259.27,-9.09 277.56,10.1 324.93,38.59 376.8,58.38 351.02,134.23 311.14,140.23 275.76,136.93 229.58,108.15 184.91,115.34 141.43,108.15 122.54,124.04

## Text on the board
B.Silkscreen: SRCLK | SER | RCLK | RST | BAT+ | (c) 2022 tubbytwins / CC BY-SA v4.0 | -N | P+ | JLCJLCJLCJLC | V001
F.Silkscreen: CONTROLLER / FACE UP
